# KiCad board Marble.kicad_pcb (continued)
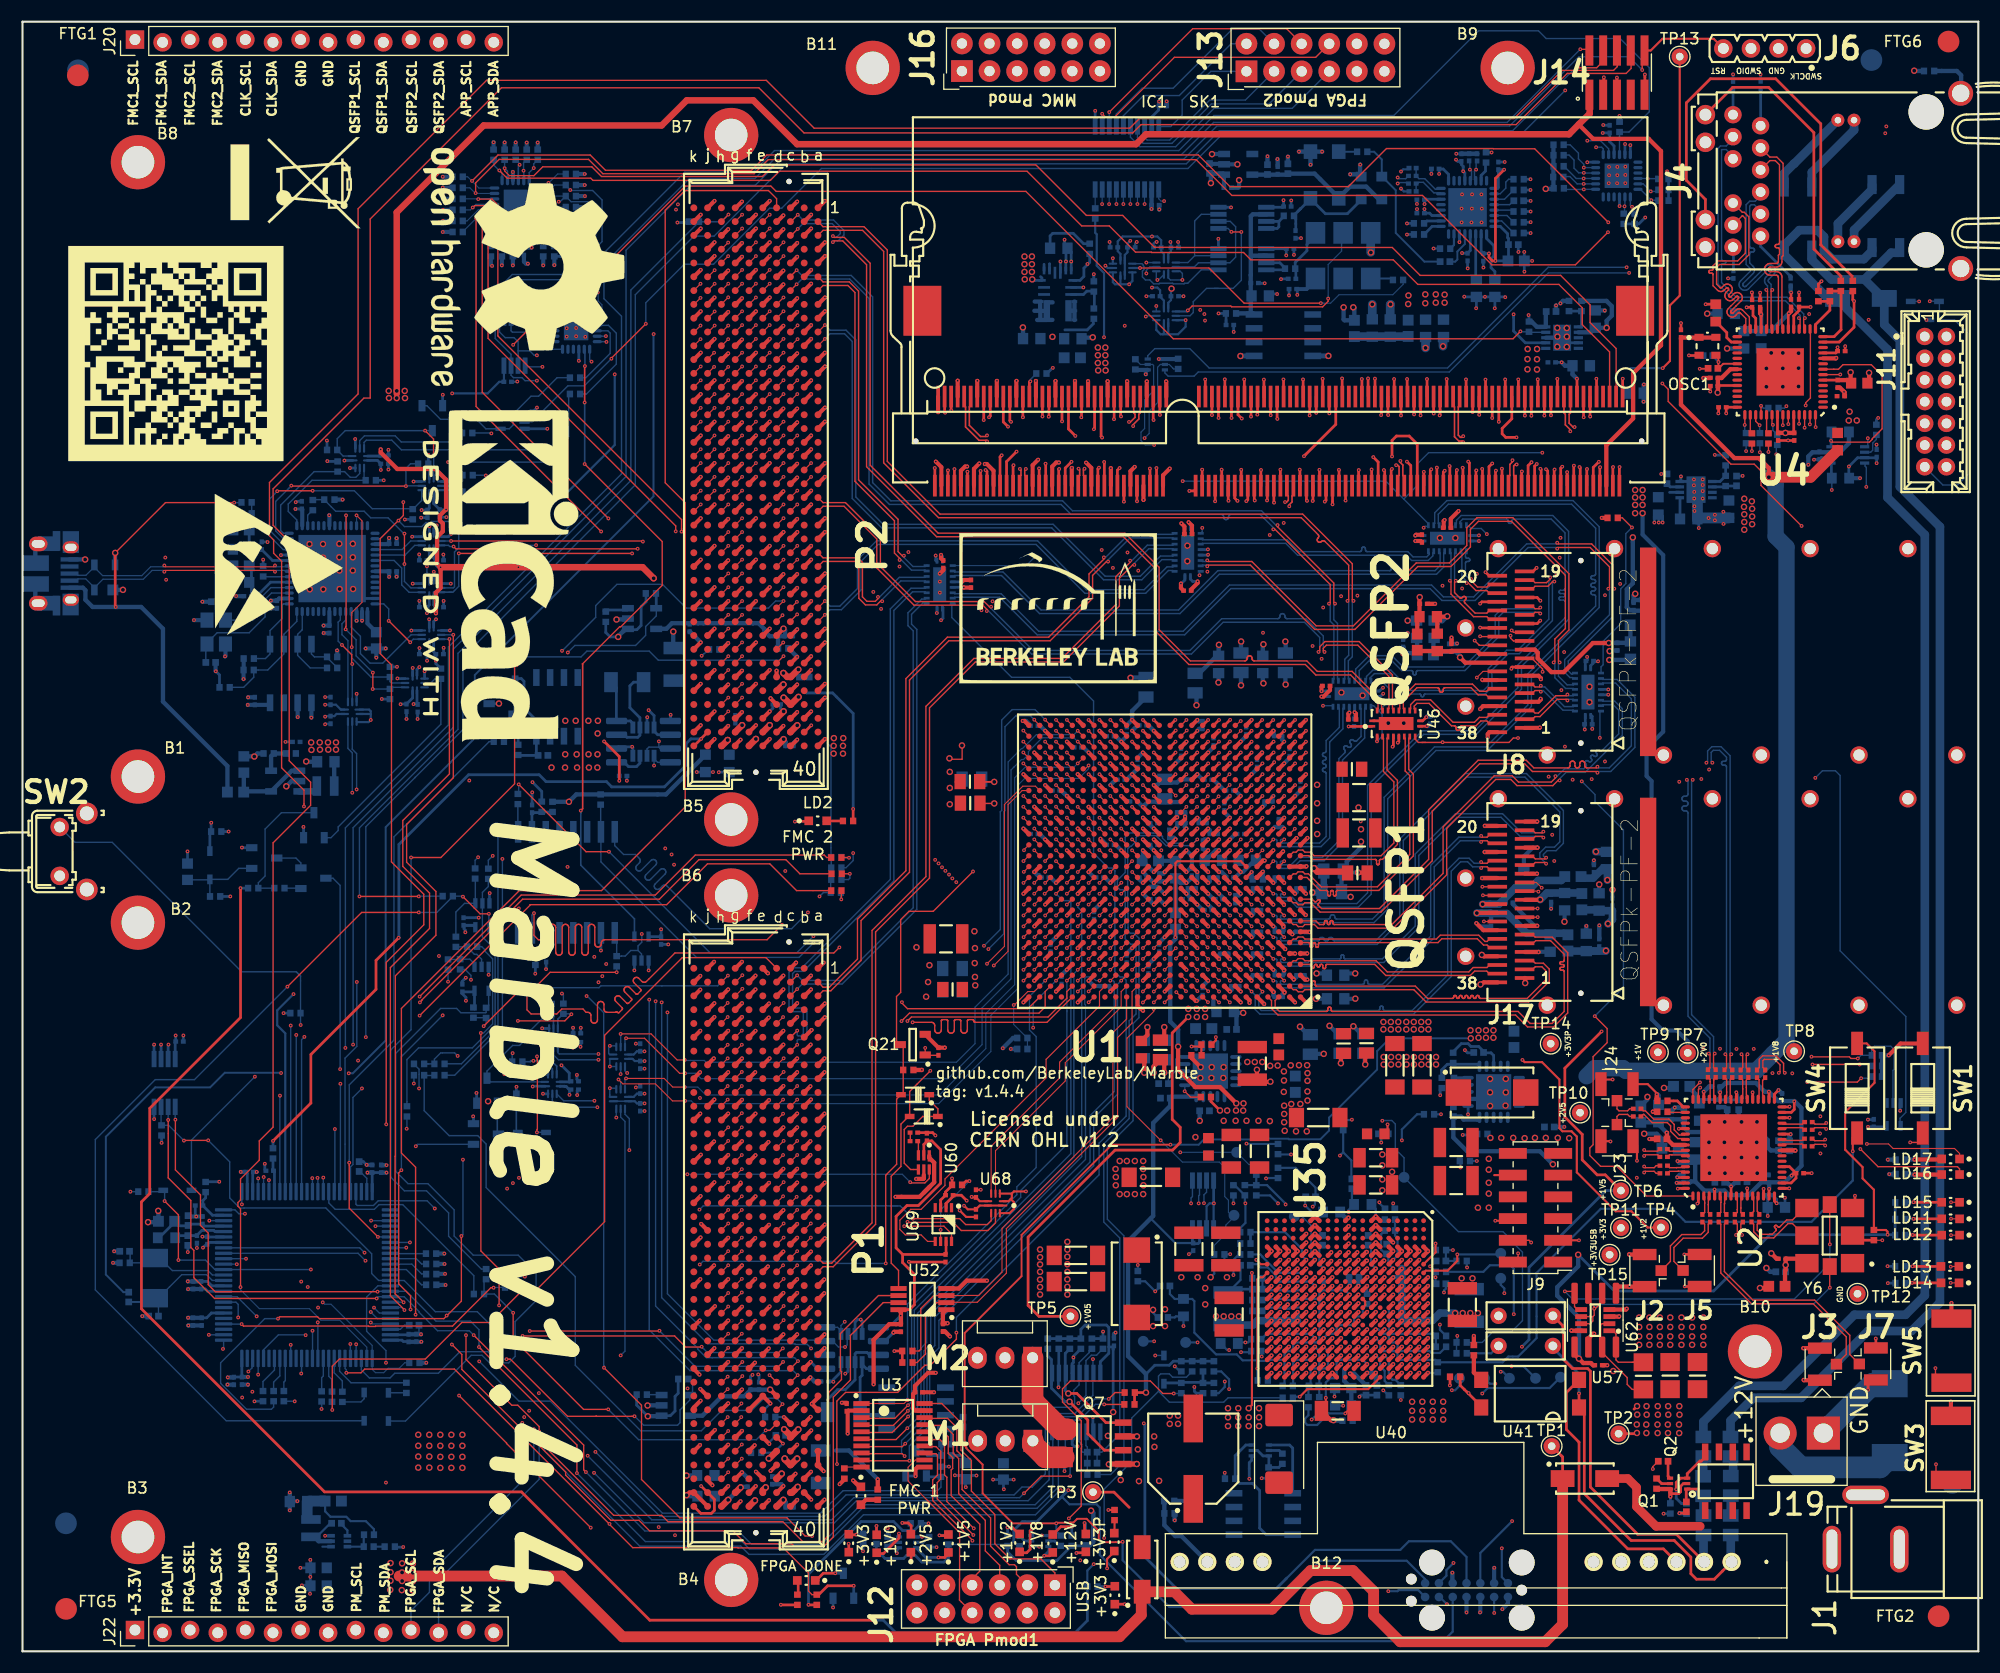
[diagram p0: board, top side]
## Routing (per net, layer and track width the routed paths; a pad name or vN(x,y) marks a point on that pad's centre or on a via; arc(x,y) is an arc through that point) (continued)
/FPGA/DDR3_DQ15: length 53.1
  Top w0.254: U1.W14 v1(104.12,78.73) ; v1(94.45,113.64) 94.47,113.66 SK1.36
  In9.Cu w0.135: 103.72,86.54 103.72,79.38 104.12,78.98 v1(104.12,78.73) ; 103.72,86.54 103.72,93.69 99.37,98.04 99.33,98.09 99.3,98.15 99.29,98.21 99.29,98.28 99.3,98.34 99.33,98.4 99.41,98.5 99.44,98.56 99.45,98.62 99.45,98.69 99.44,98.75 99.41,98.81 99.37,98.86 99.36,98.87 99.31,98.91 99.25,98.94 99.18,98.96 99.12,98.96 99.06,98.94 99,98.91 98.95,98.87 98.74,98.67 98.73,98.67 98.53,98.47 98.48,98.43 98.42,98.4 98.36,98.39 98.29,98.39 98.23,98.4 98.17,98.43 98.12,98.47 98.11,98.48 98.06,98.53 98.04,98.59 98.02,98.66 98.02,98.72 98.04,98.78 98.06,98.84 98.15,98.94 98.17,99 98.19,99.07 98.19,99.13 98.17,99.19 98.15,99.25 98.11,99.3 97.79,99.62 97.79,100.02 97.79,100.08 97.81,100.13 97.84,100.17 97.88,100.21 97.92,100.24 97.97,100.26 98.08,100.27 98.13,100.29 98.18,100.31 98.22,100.35 98.24,100.4 98.26,100.45 98.27,100.5 98.27,100.62 98.26,100.68 98.24,100.73 98.22,100.77 98.18,100.81 98.13,100.84 98.08,100.86 98.03,100.86 97.16,100.86 97.09,100.87 97.03,100.89 96.97,100.93 96.92,100.98 96.89,101.03 96.86,101.1 96.86,101.16 96.86,101.23 96.89,101.29 96.92,101.35 96.97,101.4 97.03,101.43 97.09,101.45 97.16,101.46 98.03,101.46 98.08,101.47 98.13,101.49 98.18,101.51 98.22,101.55 98.24,101.6 98.26,101.65 98.27,101.7 98.27,101.82 98.26,101.88 98.24,101.93 98.22,101.97 98.18,102.01 98.13,102.04 98.08,102.06 98.03,102.06 97.16,102.06 97.09,102.07 97.03,102.09 96.97,102.13 96.92,102.18 96.89,102.23 96.86,102.3 96.86,102.36 96.86,102.43 96.89,102.49 96.92,102.55 96.97,102.6 97.03,102.63 97.09,102.65 97.16,102.66 98.03,102.66 98.08,102.67 98.13,102.69 98.18,102.71 98.22,102.75 98.24,102.8 98.26,102.85 98.27,102.9 98.27,103.02 98.26,103.08 98.24,103.13 98.22,103.17 98.18,103.21 98.13,103.24 98.08,103.26 98.03,103.26 97.16,103.26 97.09,103.27 97.03,103.29 96.97,103.33 96.92,103.38 96.89,103.43 96.86,103.5 96.86,103.56 96.86,103.63 96.89,103.69 96.92,103.75 96.97,103.8 97.03,103.83 97.09,103.85 97.16,103.86 98.03,103.86 98.08,103.87 98.13,103.89 98.18,103.91 98.22,103.95 98.24,104 98.26,104.05 98.27,104.1 98.27,104.22 98.26,104.28 98.24,104.33 98.22,104.37 98.18,104.41 98.13,104.44 98.08,104.46 98.03,104.46 97.16,104.46 97.09,104.47 97.03,104.49 96.97,104.53 96.92,104.58 96.89,104.63 96.86,104.7 96.86,104.76 96.86,104.83 96.89,104.89 96.92,104.95 96.97,105 97.03,105.03 97.09,105.05 97.16,105.06 97.49,105.06 97.55,105.07 97.62,105.09 97.67,105.13 97.72,105.18 97.76,105.23 97.78,105.3 97.79,105.36 97.79,106 98.73,106.94 98.73,109.36 v1(94.45,113.64) ; 103.72,86.54 103.72,86.62
/FPGA/DDR3_DQ16: length 38.6
  Top w0.11: 98.12,80.73 v1(98.12,80.73)
  Top w0.254: SK1.39 95.37,108.79 v1(95.41,108.83) ; U1.AA20 98.12,80.73
  In2.Cu w0.135: v1(98.12,80.73) 98.46,81.08 98.46,87.77 97.25,88.98 97.25,92.93 96.84,93.34 96.79,93.38 96.73,93.41 96.66,93.43 96.59,93.43 96.53,93.41 96.47,93.38 96.42,93.34 96.22,93.14 96.16,93.1 96.1,93.07 96.04,93.06 95.97,93.06 95.91,93.07 95.84,93.1 95.79,93.14 95.75,93.2 95.72,93.26 95.71,93.32 95.71,93.39 95.72,93.45 95.75,93.51 95.79,93.57 96.34,94.11 96.37,94.15 96.38,94.19 96.39,94.23 96.39,94.27 96.38,94.31 96.37,94.35 96.34,94.38 96.19,94.54 96.15,94.57 96.11,94.58 96.07,94.59 96.03,94.59 95.99,94.58 95.95,94.57 95.91,94.54 95.37,93.99 95.32,93.95 95.25,93.92 95.19,93.91 95.12,93.91 95.06,93.92 95,93.95 94.94,93.99 94.9,94.04 94.87,94.1 94.86,94.17 94.86,94.24 94.87,94.3 94.9,94.36 94.94,94.42 95.49,94.96 95.52,95 95.54,95.03 95.55,95.08 95.55,95.12 95.54,95.16 95.52,95.2 95.49,95.23 95.34,95.39 95.3,95.41 95.26,95.43 95.22,95.44 95.18,95.44 95.14,95.43 95.1,95.41 95.07,95.39 94.52,94.84 94.47,94.8 94.41,94.77 94.34,94.75 94.27,94.75 94.21,94.77 94.15,94.8 94.1,94.84 94.05,94.89 94.02,94.95 94.01,95.02 94.01,95.09 94.02,95.15 94.05,95.21 94.1,95.26 94.29,95.46 94.34,95.52 94.37,95.58 94.38,95.64 94.38,95.71 94.37,95.78 94.34,95.84 94.29,95.89 93.81,96.37 93.81,107.23 v1(95.41,108.83)
/FPGA/DDR3_DQ17: length 38.6
  Top w0.254: SK1.41 95.97,108.92 v1(96.54,109.49) ; U1.AD19 v1(99.12,83.73)
  In4.Cu w0.135: v1(96.54,109.49) 96.92,109.87 97.94,109.87 98.23,109.58 98.23,108.53 98.11,108.41 98.11,108.14 98.11,108.11 98.1,108.09 98.09,108.06 98.07,108.05 98.05,108.03 98.02,108.02 97.97,108.02 97.94,108.01 97.92,107.99 97.9,107.97 97.88,107.95 97.87,107.93 97.87,107.9 97.87,107.54 97.87,107.51 97.88,107.49 97.9,107.46 97.92,107.45 97.94,107.43 97.97,107.42 97.99,107.42 98.11,107.42 98.11,107.42 98.23,107.42 98.26,107.41 98.29,107.4 98.31,107.39 98.33,107.37 98.34,107.35 98.35,107.32 98.36,107.29 98.36,106.94 98.35,106.91 98.34,106.88 98.33,106.86 98.31,106.84 98.29,106.83 98.26,106.82 98.23,106.82 97.99,106.82 97.97,106.81 97.94,106.8 97.92,106.79 97.9,106.77 97.88,106.75 97.87,106.72 97.87,106.69 97.87,106.34 97.87,106.31 97.88,106.28 97.9,106.26 97.92,106.24 97.94,106.23 97.97,106.22 97.99,106.22 98.23,106.22 98.26,106.21 98.29,106.2 98.31,106.19 98.33,106.17 98.34,106.15 98.35,106.12 98.36,106.09 98.36,105.74 98.35,105.71 98.34,105.68 98.33,105.66 98.31,105.64 98.29,105.63 98.26,105.62 98.23,105.62 97.99,105.62 97.97,105.61 97.94,105.6 97.92,105.59 97.9,105.57 97.88,105.55 97.87,105.52 97.87,105.49 97.87,105.14 97.87,105.11 97.88,105.08 97.9,105.06 97.92,105.04 97.94,105.03 97.97,105.02 97.99,105.02 98.23,105.02 98.26,105.01 98.29,105 98.31,104.99 98.33,104.97 98.34,104.95 98.35,104.92 98.36,104.89 98.36,104.54 98.35,104.51 98.34,104.48 98.33,104.46 98.31,104.44 98.29,104.43 98.26,104.42 98.21,104.41 98.18,104.4 98.16,104.39 98.14,104.37 98.13,104.35 98.12,104.32 98.11,104.29 98.11,103.29 97.71,102.89 97.71,102.84 97.69,102.8 97.67,102.76 97.64,102.73 97.6,102.71 97.56,102.69 97.47,102.68 97.43,102.67 97.39,102.65 97.36,102.62 97.34,102.58 97.32,102.54 97.32,102.49 97.32,102.29 97.32,102.24 97.34,102.2 97.36,102.16 97.39,102.13 97.43,102.11 97.47,102.09 97.51,102.09 97.71,102.09 97.71,102.09 97.76,102.09 97.77,102.08 97.78,102.08 97.79,102.07 97.8,102.07 97.81,102.06 97.81,102.05 97.81,102.04 97.81,101.54 97.81,101.52 97.81,101.51 97.8,101.5 97.79,101.5 97.78,101.49 97.77,101.49 97.76,101.49 97.51,101.49 97.47,101.48 97.43,101.47 97.39,101.44 97.36,101.41 97.34,101.37 97.32,101.33 97.32,101.29 97.32,101.08 97.32,101.04 97.34,101 97.36,100.96 97.39,100.93 97.43,100.91 97.47,100.89 97.51,100.89 97.76,100.89 97.77,100.88 97.78,100.88 97.79,100.87 97.8,100.87 97.81,100.86 97.81,100.85 97.81,100.84 97.81,100.34 97.81,100.32 97.81,100.31 97.8,100.3 97.79,100.3 97.78,100.29 97.77,100.29 97.75,100.28 97.74,100.28 97.73,100.27 97.72,100.27 97.72,100.26 97.71,100.25 97.71,100.24 97.71,98.82 97.75,98.79 97.8,98.76 97.86,98.75 97.91,98.75 97.97,98.76 98.02,98.79 98.1,98.86 98.15,98.88 98.21,98.89 98.26,98.89 98.31,98.88 98.36,98.86 98.41,98.82 98.48,98.75 98.52,98.7 98.54,98.65 98.55,98.6 98.55,98.54 98.54,98.49 98.52,98.44 98.48,98.4 98.31,98.22 98.31,98.22 98.1,98.01 98.06,97.96 98.03,97.9 98.02,97.84 98.02,97.77 98.03,97.7 98.06,97.64 98.1,97.59 98.11,97.59 98.16,97.55 98.22,97.52 98.28,97.5 98.35,97.5 98.42,97.52 98.48,97.55 98.58,97.63 98.64,97.66 98.7,97.67 98.77,97.67 98.83,97.66 98.89,97.63 98.95,97.59 99.58,96.95 99.57,96.89 99.55,96.82 99.51,96.77 99.46,96.72 99.41,96.68 99.34,96.66 99.28,96.65 98.94,96.65 98.87,96.65 98.81,96.63 98.75,96.59 98.7,96.54 98.67,96.49 98.64,96.42 98.64,96.35 98.64,96.29 98.67,96.22 98.7,96.17 98.75,96.12 98.81,96.08 98.87,96.06 98.94,96.05 99.28,96.05 99.34,96.05 99.41,96.03 99.46,95.99 99.51,95.94 99.55,95.89 99.57,95.82 99.58,95.75 99.58,84.19 v1(99.12,83.73)
/FPGA/DDR3_DQ18: length 38.6
  Top w0.254: SK1.51 98.97,108.85 v1(99.07,108.95) ; U1.AB17 v1(101.12,81.73)
  In2.Cu w0.135: v1(101.12,81.73) 100.46,82.39 100.46,93.97 98,96.44 97.96,96.49 97.93,96.54 97.92,96.6 97.92,96.66 97.93,96.72 97.96,96.78 98.03,96.87 98.06,96.92 98.07,96.98 98.07,97.04 98.06,97.1 98.03,97.16 98,97.2 97.99,97.21 97.94,97.25 97.89,97.28 97.83,97.29 97.77,97.29 97.71,97.28 97.65,97.25 97.61,97.21 97.31,96.92 97.29,96.9 97.26,96.88 97.23,96.88 97.2,96.88 97.16,96.88 97.13,96.9 97.11,96.92 96.92,97.1 96.9,97.13 96.89,97.16 96.88,97.19 96.88,97.22 96.89,97.25 96.9,97.28 96.92,97.31 97.22,97.6 97.26,97.65 97.28,97.7 97.3,97.76 97.3,97.82 97.28,97.88 97.26,97.94 97.22,97.98 97.21,97.99 97.16,98.03 97.11,98.05 97.05,98.07 96.99,98.07 96.93,98.05 96.88,98.03 96.83,97.99 96.64,97.8 96.63,97.8 96.53,97.7 96.51,97.68 96.48,97.67 96.45,97.66 96.41,97.66 96.38,97.67 96.35,97.68 96.33,97.7 96.14,97.88 96.12,97.91 96.11,97.94 96.1,97.97 96.1,98 96.11,98.03 96.12,98.06 96.16,98.11 96.18,98.14 96.18,98.18 96.18,98.21 96.18,98.24 96.16,98.27 96.14,98.29 96.07,98.36 96.07,99.01 96.07,99.03 96.06,99.05 96.05,99.07 96.04,99.08 96.02,99.09 96,99.1 95.96,99.1 95.94,99.11 95.92,99.12 95.9,99.14 95.89,99.15 95.89,99.17 95.88,99.2 95.88,99.56 95.89,99.58 95.89,99.6 95.9,99.62 95.92,99.63 95.94,99.64 95.96,99.65 95.98,99.65 96.29,99.65 96.34,99.66 96.39,99.67 96.43,99.7 96.46,99.73 96.49,99.78 96.51,99.82 96.51,99.87 96.51,99.98 96.51,100.03 96.49,100.08 96.46,100.12 96.43,100.15 96.39,100.18 96.34,100.2 96.29,100.2 95.98,100.2 95.96,100.2 95.94,100.21 95.92,100.22 95.9,100.24 95.89,100.25 95.89,100.27 95.88,100.3 95.88,100.66 95.89,100.68 95.89,100.7 95.9,100.72 95.92,100.73 95.94,100.74 95.96,100.75 95.98,100.75 96.29,100.75 96.34,100.76 96.39,100.77 96.43,100.8 96.46,100.83 96.49,100.88 96.51,100.92 96.51,100.97 96.51,101.08 96.51,101.13 96.49,101.18 96.46,101.22 96.43,101.25 96.39,101.28 96.34,101.3 96.29,101.3 95.98,101.3 95.96,101.3 95.94,101.31 95.92,101.32 95.9,101.34 95.89,101.35 95.89,101.37 95.88,101.4 95.88,101.76 95.89,101.78 95.89,101.8 95.9,101.82 95.92,101.83 95.94,101.84 95.96,101.85 95.98,101.85 96.29,101.85 96.34,101.86 96.39,101.87 96.43,101.9 96.46,101.93 96.49,101.98 96.51,102.02 96.51,102.07 96.51,102.18 96.51,102.23 96.49,102.28 96.46,102.32 96.43,102.35 96.39,102.38 96.34,102.4 96.29,102.4 96.07,102.4 96.07,102.41 95.98,102.41 95.96,102.41 95.94,102.42 95.92,102.43 95.9,102.44 95.89,102.46 95.89,102.48 95.88,102.5 95.88,102.86 95.89,102.88 95.89,102.9 95.9,102.92 95.92,102.94 95.94,102.95 95.96,102.95 96,102.96 96.02,102.97 96.04,102.98 96.05,102.99 96.06,103.01 96.07,103.03 96.07,103.05 96.07,103.29 99.07,106.29 v1(99.07,108.95)
/FPGA/DDR3_DQ19: length 38.5
  Top w0.254: U1.AC17 v1(101.12,82.73) ; v1(99.55,109.47) 99.57,109.45 SK1.53
  In2.Cu w0.135: v1(101.12,82.73) 100.78,83.07 100.78,94.83 100.42,95.19 100.38,95.23 100.36,95.28 100.35,95.34 100.35,95.39 100.36,95.45 100.38,95.5 100.45,95.58 100.47,95.63 100.49,95.69 100.49,95.74 100.47,95.8 100.45,95.85 100.42,95.89 100.38,95.93 100.33,95.96 100.28,95.99 100.23,96 100.17,96 100.12,95.99 100.07,95.96 100.03,95.93 99.85,95.75 99.85,95.76 99.66,95.56 99.61,95.53 99.56,95.5 99.5,95.49 99.44,95.49 99.38,95.5 99.32,95.53 99.27,95.56 99.27,95.57 99.23,95.61 99.2,95.67 99.19,95.73 99.19,95.79 99.2,95.85 99.23,95.9 99.27,95.95 99.64,96.32 99.67,96.36 99.69,96.41 99.71,96.47 99.71,96.52 99.69,96.58 99.67,96.63 99.64,96.67 99.6,96.71 99.55,96.74 99.5,96.77 99.45,96.78 99.39,96.78 99.34,96.77 99.29,96.74 99.25,96.71 98.88,96.34 98.83,96.3 98.78,96.28 98.72,96.26 98.66,96.26 98.6,96.28 98.54,96.3 98.5,96.34 98.49,96.35 98.45,96.39 98.43,96.45 98.41,96.51 98.41,96.57 98.43,96.63 98.45,96.68 98.49,96.73 98.86,97.1 98.89,97.14 98.92,97.19 98.93,97.24 98.93,97.3 98.92,97.35 98.89,97.4 98.86,97.45 98.82,97.49 98.78,97.52 98.73,97.54 98.67,97.56 98.62,97.56 98.56,97.54 98.51,97.52 98.43,97.45 98.38,97.43 98.32,97.41 98.27,97.41 98.21,97.43 98.16,97.45 98.12,97.49 98.12,97.49 98.08,97.53 98.06,97.58 98.05,97.63 98.05,97.69 98.06,97.74 98.08,97.79 98.15,97.88 98.18,97.93 98.19,97.98 98.19,98.04 98.18,98.09 98.15,98.14 98.12,98.19 98.08,98.23 98.04,98.26 97.99,98.28 97.93,98.3 97.88,98.3 97.82,98.28 97.77,98.26 97.69,98.19 97.64,98.17 97.58,98.16 97.53,98.16 97.47,98.17 97.42,98.19 97.38,98.23 96.77,98.83 96.77,98.86 96.76,98.89 96.74,98.91 96.73,98.93 96.7,98.94 96.68,98.95 96.62,98.96 96.6,98.97 96.57,98.98 96.55,99 96.54,99.03 96.53,99.05 96.53,99.08 96.53,99.38 96.53,99.41 96.54,99.44 96.55,99.46 96.57,99.48 96.6,99.49 96.62,99.5 96.65,99.51 96.77,99.51 96.77,99.51 96.94,99.51 96.98,99.51 97.02,99.53 97.05,99.55 97.08,99.57 97.1,99.61 97.11,99.64 97.12,99.68 97.12,99.89 97.11,99.93 97.1,99.96 97.08,99.99 97.05,100.02 97.02,100.04 96.98,100.06 96.9,100.06 96.87,100.08 96.84,100.1 96.81,100.12 96.79,100.16 96.78,100.19 96.77,100.23 96.77,100.23 96.78,100.27 96.79,100.31 96.81,100.34 96.84,100.37 96.87,100.39 96.9,100.4 96.98,100.41 97.02,100.42 97.05,100.44 97.08,100.47 97.1,100.5 97.11,100.54 97.12,100.58 97.12,100.78 97.11,100.82 97.1,100.86 97.08,100.89 97.05,100.92 97.02,100.94 96.98,100.95 96.9,100.96 96.87,100.97 96.84,100.99 96.81,101.02 96.79,101.05 96.78,101.09 96.77,101.13 96.77,101.33 96.78,101.37 96.79,101.41 96.81,101.44 96.84,101.47 96.87,101.49 96.9,101.5 96.98,101.51 97.02,101.52 97.05,101.54 97.08,101.57 97.1,101.6 97.11,101.64 97.12,101.68 97.12,101.88 97.11,101.92 97.1,101.96 97.08,101.99 97.05,102.02 97.02,102.04 96.98,102.05 96.9,102.06 96.87,102.07 96.84,102.09 96.81,102.12 96.79,102.15 96.78,102.19 96.77,102.23 96.77,103.03 99.55,105.8 v1(99.55,109.47)
/FPGA/DDR3_DQ20: length 38.5
  Top w0.254: SK1.40 95.67,113.22 v1(95.68,113.21) ; U1.AA19 v1(99.12,80.73)
  In2.Cu w0.135: v1(99.12,80.73) 98.78,81.07 98.78,92.45 94.59,96.64 94.59,107.25 95.78,108.45 95.78,111.43 95.78,111.47 95.76,111.51 95.74,111.55 95.71,111.58 95.67,111.6 95.63,111.61 95.55,111.62 95.51,111.64 95.47,111.66 95.44,111.69 95.42,111.73 95.4,111.77 95.4,111.81 95.4,112.03 95.4,112.07 95.42,112.11 95.44,112.15 95.47,112.18 95.51,112.2 95.55,112.21 95.59,112.22 95.83,112.22 95.84,112.22 95.85,112.22 95.86,112.23 95.87,112.24 95.88,112.25 95.88,112.26 95.88,112.27 95.88,112.77 95.88,112.78 95.88,112.79 95.87,112.8 95.86,112.81 95.85,112.81 95.84,112.82 95.82,112.82 95.81,112.82 95.8,112.83 95.79,112.84 95.79,112.85 95.78,112.86 95.78,112.87 95.78,113.11 v1(95.68,113.21)
/FPGA/DDR3_DQ21: length 38.5
  Top w0.254: U1.AB19 v1(99.12,81.73) ; v1(96.9,111.88) 96.26,112.51 96.26,114.24 96.27,114.24 SK1.42
  In2.Cu w0.135: v1(99.12,81.73) 99.78,82.39 99.78,93.52 95.63,97.67 95.63,103.7 98.42,106.49 98.42,110.35 v1(96.9,111.88)
/FPGA/DDR3_DQ22: length 38.5
  Top w0.254: v1(98.6,112.49) 98.67,112.56 SK1.50 ; U1.AD18 v1(100.12,83.73)
  In4.Cu w0.135: v1(98.6,112.49) 98.6,112.24 98.72,112.13 98.72,108.5 98.62,108.41 98.62,103.06 98.07,102.5 98.07,99.53 100.47,97.13 100.47,93.93 100.46,93.86 100.44,93.8 100.4,93.74 100.35,93.7 100.3,93.66 100.23,93.64 100.17,93.63 100.13,93.63 100.06,93.62 100,93.6 99.94,93.57 99.89,93.52 99.86,93.46 99.84,93.4 99.83,93.33 99.84,93.26 99.86,93.2 99.89,93.14 99.94,93.1 100,93.06 100.06,93.04 100.13,93.03 100.17,93.03 100.23,93.02 100.3,93 100.35,92.97 100.4,92.92 100.44,92.86 100.46,92.8 100.47,92.73 100.46,92.66 100.44,92.6 100.4,92.54 100.35,92.5 100.3,92.46 100.23,92.44 100.17,92.43 100.13,92.43 100.06,92.42 100,92.4 99.94,92.37 99.89,92.32 99.86,92.26 99.84,92.2 99.83,92.13 99.84,92.06 99.86,92 99.89,91.94 99.94,91.9 100,91.86 100.06,91.84 100.13,91.83 100.17,91.83 100.23,91.82 100.3,91.8 100.35,91.77 100.4,91.72 100.44,91.66 100.46,91.6 100.47,91.53 100.46,91.46 100.44,91.4 100.4,91.34 100.35,91.3 100.3,91.26 100.23,91.24 100.17,91.23 100.13,91.23 100.06,91.22 100,91.2 99.94,91.17 99.89,91.12 99.86,91.06 99.84,91 99.83,90.93 99.84,90.86 99.86,90.8 99.89,90.74 99.94,90.7 100,90.66 100.06,90.64 100.13,90.63 100.17,90.63 100.23,90.62 100.3,90.6 100.35,90.57 100.4,90.52 100.44,90.46 100.46,90.4 100.47,90.33 100.46,90.26 100.44,90.2 100.4,90.14 100.35,90.1 100.3,90.06 100.23,90.04 100.17,90.03 100.13,90.03 100.06,90.02 100,90 99.94,89.97 99.89,89.92 99.86,89.86 99.84,89.8 99.83,89.73 99.84,89.66 99.86,89.6 99.89,89.54 99.94,89.5 100,89.46 100.06,89.44 100.13,89.43 100.17,89.43 100.23,89.42 100.3,89.4 100.35,89.37 100.4,89.32 100.44,89.26 100.46,89.2 100.47,89.13 100.46,89.06 100.44,89 100.4,88.94 100.35,88.9 100.3,88.86 100.23,88.84 100.17,88.83 100.13,88.83 100.06,88.82 100,88.8 99.94,88.77 99.89,88.72 99.86,88.66 99.84,88.6 99.83,88.53 99.84,88.46 99.86,88.4 99.89,88.34 99.94,88.3 100,88.26 100.06,88.24 100.13,88.23 100.17,88.23 100.23,88.22 100.3,88.2 100.35,88.17 100.4,88.12 100.44,88.06 100.46,88 100.47,87.93 100.46,87.86 100.44,87.8 100.4,87.74 100.35,87.7 100.3,87.66 100.23,87.64 100.17,87.63 100.13,87.63 100.06,87.62 100,87.6 99.94,87.57 99.89,87.52 99.86,87.46 99.84,87.4 99.83,87.33 99.84,87.26 99.86,87.2 99.89,87.14 99.94,87.1 100,87.06 100.06,87.04 100.13,87.03 100.17,87.03 100.23,87.02 100.3,87 100.35,86.97 100.4,86.92 100.44,86.86 100.46,86.8 100.47,86.73 100.47,84.08 v1(100.12,83.73)
/FPGA/DDR3_DQ23: length 38.5
  Top w0.254: v1(99.36,111.73) 99.27,111.82 SK1.52 ; U1.AC18 v1(100.12,82.73)
  In4.Cu w0.135: v1(100.12,82.73) 100.77,83.38 100.77,94.3 100.78,94.37 100.8,94.43 100.84,94.49 100.88,94.54 100.94,94.57 101,94.59 101.07,94.6 101.32,94.6 101.39,94.61 101.45,94.63 101.51,94.67 101.56,94.71 101.59,94.77 101.61,94.83 101.62,94.9 101.61,94.97 101.59,95.03 101.56,95.09 101.51,95.14 101.45,95.17 101.39,95.19 101.32,95.2 101.07,95.2 101,95.21 100.94,95.23 100.88,95.27 100.84,95.31 100.8,95.37 100.78,95.43 100.77,95.5 100.78,95.57 100.8,95.63 100.84,95.69 100.88,95.74 100.94,95.77 101,95.79 101.07,95.8 101.32,95.8 101.39,95.81 101.45,95.83 101.51,95.87 101.56,95.91 101.59,95.97 101.61,96.03 101.62,96.1 101.61,96.17 101.59,96.23 101.56,96.29 101.51,96.34 101.45,96.37 101.39,96.39 101.32,96.4 101.07,96.4 101,96.41 100.94,96.43 100.88,96.47 100.84,96.51 100.8,96.57 100.78,96.63 100.77,96.7 100.77,97.42 100.74,97.46 100.69,97.51 100.67,97.57 100.65,97.64 100.65,97.71 100.67,97.77 100.69,97.83 100.74,97.88 100.81,97.95 100.85,98.01 100.88,98.07 100.89,98.13 100.89,98.2 100.88,98.27 100.85,98.33 100.81,98.38 100.75,98.42 100.69,98.45 100.63,98.47 100.56,98.47 100.5,98.45 100.43,98.42 100.38,98.38 100.31,98.31 100.26,98.27 100.2,98.24 100.13,98.22 100.07,98.22 100,98.24 99.94,98.27 99.89,98.31 98.51,99.69 98.51,102.06 99.36,102.91 99.36,108.73 99.42,108.79 99.42,109.1 99.19,109.33 99.19,111.55 v1(99.36,111.73)
/FPGA/DDR3_DQ24: length 39
  Top w0.254: U1.AA18 v1(100.12,80.73) ; v1(100.97,108.92) 100.77,108.71 SK1.57
  In4.Cu w0.135: v1(100.97,108.92) 100.97,104.88 101.91,103.94 101.96,103.89 101.99,103.83 102,103.76 102,103.69 101.99,103.63 101.96,103.57 101.91,103.52 101.72,103.32 101.68,103.27 101.65,103.21 101.64,103.15 101.64,103.08 101.65,103.01 101.68,102.95 101.72,102.9 101.78,102.86 101.84,102.83 101.9,102.81 101.97,102.81 102.03,102.83 102.1,102.86 102.15,102.9 102.95,103.71 103.01,103.75 103.07,103.78 103.13,103.79 103.2,103.79 103.27,103.78 103.33,103.75 103.38,103.71 103.42,103.65 103.45,103.59 103.46,103.53 103.46,103.46 103.45,103.4 103.42,103.34 103.38,103.28 103.19,103.09 103.15,103.04 103.12,102.98 103.1,102.91 103.1,102.85 103.12,102.78 103.15,102.72 103.19,102.67 103.46,102.39 103.46,101.94 103.46,101.87 103.43,101.81 103.4,101.75 103.35,101.71 103.29,101.67 103.23,101.65 103.16,101.64 102.89,101.64 102.83,101.63 102.76,101.61 102.71,101.57 102.66,101.53 102.62,101.47 102.6,101.41 102.59,101.34 102.6,101.27 102.62,101.21 102.66,101.15 102.71,101.11 102.76,101.07 102.83,101.05 102.89,101.04 103.88,101.04 103.95,101.03 104.02,101.01 104.07,100.97 104.12,100.93 104.16,100.87 104.18,100.81 104.18,100.74 104.18,100.67 104.16,100.61 104.12,100.55 104.07,100.51 104.02,100.47 103.95,100.45 103.88,100.44 103.76,100.44 103.7,100.43 103.63,100.41 103.58,100.37 103.53,100.33 103.49,100.27 103.47,100.21 103.46,100.14 103.46,82.58 102.27,81.39 100.78,81.39 v1(100.12,80.73)
/FPGA/DDR3_DQ25: length 39
  Top w0.254: SK1.59 v1(101.37,105.82) ; U1.AB16 v1(102.12,81.73)
  In2.Cu w0.135: v1(102.12,81.73) 101.74,82.11 101.74,89.15 101.51,89.38 101.51,89.8 101.78,90.07 101.78,90.26 101.78,90.31 101.8,90.36 101.82,90.4 101.86,90.43 101.9,90.46 101.95,90.47 102.04,90.49 102.09,90.5 102.13,90.53 102.16,90.56 102.19,90.6 102.21,90.65 102.21,90.7 102.21,90.81 102.21,90.86 102.19,90.91 102.16,90.95 102.13,90.98 102.09,91.01 102.04,91.02 101.99,91.03 101.78,91.03 101.78,91.04 101.66,91.04 101.63,91.04 101.61,91.05 101.58,91.06 101.56,91.08 101.55,91.1 101.54,91.13 101.54,91.16 101.54,91.47 101.54,91.49 101.55,91.52 101.56,91.54 101.58,91.56 101.61,91.57 101.63,91.58 101.66,91.59 101.99,91.59 102.04,91.59 102.09,91.61 102.13,91.63 102.16,91.67 102.19,91.71 102.21,91.76 102.21,91.81 102.21,91.92 102.21,91.97 102.19,92.01 102.16,92.05 102.13,92.09 102.09,92.11 102.04,92.13 101.99,92.14 101.66,92.14 101.63,92.14 101.61,92.15 101.58,92.16 101.56,92.18 101.55,92.2 101.54,92.23 101.54,92.26 101.54,92.57 101.54,92.59 101.55,92.62 101.56,92.64 101.58,92.66 101.61,92.67 101.63,92.68 101.66,92.69 101.99,92.69 102.04,92.69 102.09,92.71 102.13,92.73 102.16,92.77 102.19,92.81 102.21,92.86 102.21,92.91 102.21,93.02 102.21,93.07 102.19,93.11 102.16,93.15 102.13,93.19 102.09,93.21 102.04,93.23 101.95,93.24 101.9,93.26 101.86,93.28 101.82,93.32 101.8,93.36 101.78,93.41 101.78,93.46 101.78,96.03 101.31,96.49 101.27,96.54 101.24,96.6 101.23,96.67 101.23,96.74 101.24,96.8 101.27,96.86 101.31,96.91 101.53,97.13 101.57,97.18 101.6,97.24 101.61,97.3 101.61,97.37 101.6,97.44 101.57,97.5 101.53,97.55 101.47,97.59 101.41,97.62 101.35,97.64 101.28,97.64 101.21,97.62 101.15,97.59 101.1,97.55 100.48,96.93 100.43,96.89 100.38,96.87 100.32,96.85 100.26,96.85 100.2,96.87 100.14,96.89 100.09,96.93 100.06,96.97 100.02,97.02 99.99,97.07 99.98,97.13 99.98,97.19 99.99,97.25 100.02,97.31 100.06,97.36 100.68,97.97 100.72,98.03 100.75,98.09 100.76,98.15 100.76,98.22 100.75,98.29 100.72,98.35 100.68,98.4 100.62,98.44 100.56,98.47 100.5,98.48 100.43,98.48 100.37,98.47 100.31,98.44 100.25,98.4 99.63,97.78 99.59,97.74 99.53,97.71 99.47,97.7 99.41,97.7 99.35,97.71 99.29,97.74 99.24,97.78 99.21,97.82 99.17,97.86 99.14,97.92 99.13,97.98 99.13,98.04 99.14,98.1 99.17,98.16 99.25,98.25 99.27,98.31 99.29,98.37 99.29,98.43 99.27,98.49 99.25,98.55 99.21,98.59 98.26,99.55 98.26,102.71 99.06,103.51 99.08,103.54 99.1,103.58 99.11,103.62 99.11,103.66 99.1,103.69 99.08,103.73 99.04,103.79 99.02,103.83 99.01,103.86 99.01,103.9 99.02,103.94 99.04,103.98 99.06,104.01 99.24,104.18 99.27,104.21 99.3,104.23 99.34,104.23 99.38,104.23 99.42,104.23 99.45,104.21 99.48,104.18 100.03,103.64 100.08,103.59 100.15,103.57 100.21,103.55 100.28,103.55 100.34,103.57 100.4,103.59 100.46,103.64 100.5,103.69 100.53,103.75 100.54,103.82 100.54,103.88 100.53,103.95 100.5,104.01 100.46,104.06 99.91,104.61 99.88,104.64 99.87,104.67 99.86,104.71 99.86,104.75 99.87,104.79 99.88,104.83 99.91,104.86 100.09,105.03 100.12,105.06 100.15,105.07 100.19,105.08 100.23,105.08 100.27,105.07 100.3,105.06 100.36,105.01 100.4,104.99 100.44,104.98 100.48,104.98 100.51,104.99 100.55,105.01 100.58,105.03 v1(101.37,105.82)
/FPGA/DDR3_DQ26: length 39.1
  Top w0.254: SK1.67 103.77,108.86 v1(103.76,108.87) ; U1.AA14 v1(104.12,80.73)
  In2.Cu w0.135: v1(104.12,80.73) 104.12,81.24 103.77,81.59 103.77,92.77 103.77,92.78 103.76,92.79 103.76,92.8 103.75,92.81 103.74,92.82 103.73,92.82 103.71,92.82 103.7,92.83 103.69,92.83 103.68,92.84 103.67,92.85 103.67,92.86 103.67,92.87 103.67,93.37 103.67,93.38 103.67,93.39 103.68,93.4 103.69,93.41 103.7,93.42 103.71,93.42 103.73,93.42 103.74,93.43 103.75,93.43 103.76,93.44 103.76,93.45 103.77,93.46 103.77,93.47 103.77,93.97 103.77,93.98 103.76,93.99 103.76,94 103.75,94.01 103.74,94.02 103.73,94.02 103.71,94.02 103.7,94.03 103.69,94.03 103.68,94.04 103.67,94.05 103.67,94.06 103.67,94.07 103.67,94.57 103.67,94.58 103.67,94.59 103.68,94.6 103.69,94.61 103.7,94.62 103.71,94.62 103.73,94.62 103.74,94.63 103.75,94.63 103.76,94.64 103.76,94.65 103.77,94.66 103.77,94.67 103.77,95.17 103.77,95.18 103.76,95.19 103.76,95.2 103.75,95.21 103.74,95.22 103.73,95.22 103.71,95.22 103.7,95.23 103.69,95.23 103.68,95.24 103.67,95.25 103.67,95.26 103.67,95.27 103.67,95.77 103.67,95.78 103.67,95.79 103.68,95.8 103.69,95.81 103.7,95.82 103.71,95.82 103.73,95.82 103.74,95.83 103.75,95.83 103.76,95.84 103.76,95.85 103.77,95.86 103.77,95.87 103.77,96.37 103.77,96.38 103.76,96.39 103.76,96.4 103.75,96.41 103.74,96.42 103.73,96.42 103.71,96.42 103.7,96.43 103.69,96.43 103.68,96.44 103.67,96.45 103.67,96.46 103.67,96.47 103.67,96.97 103.67,96.98 103.67,96.99 103.68,97 103.69,97.01 103.7,97.02 103.71,97.02 103.73,97.02 103.74,97.03 103.75,97.03 103.76,97.04 103.76,97.05 103.77,97.06 103.77,97.07 103.77,97.57 103.77,97.61 103.75,97.64 103.74,97.67 103.71,97.69 103.69,97.71 103.65,97.72 103.59,97.73 103.56,97.74 103.53,97.75 103.51,97.78 103.49,97.81 103.48,97.84 103.47,97.87 103.47,98.17 103.48,98.21 103.49,98.24 103.51,98.27 103.53,98.29 103.56,98.31 103.59,98.32 103.65,98.33 103.69,98.34 103.71,98.35 103.74,98.38 103.75,98.41 103.77,98.44 103.77,98.47 103.77,98.77 103.77,98.81 103.75,98.84 103.74,98.87 103.71,98.89 103.69,98.91 103.65,98.92 103.59,98.93 103.56,98.94 103.53,98.95 103.51,98.98 103.49,99.01 103.48,99.04 103.47,99.07 103.47,99.37 103.48,99.41 103.49,99.44 103.51,99.47 103.53,99.49 103.56,99.51 103.59,99.52 103.65,99.53 103.69,99.54 103.71,99.55 103.74,99.58 103.75,99.61 103.77,99.64 103.77,99.67 103.77,100.17 103.77,100.18 103.76,100.19 103.76,100.2 103.75,100.21 103.74,100.22 103.73,100.22 103.71,100.22 103.7,100.23 103.69,100.23 103.68,100.24 103.67,100.25 103.67,100.26 103.67,100.27 103.67,100.77 103.67,100.78 103.67,100.79 103.68,100.8 103.69,100.81 103.7,100.82 103.71,100.82 103.73,100.82 103.74,100.83 103.75,100.83 103.76,100.84 103.76,100.85 103.77,100.86 103.77,100.87 103.77,103.92 103.77,103.94 103.76,103.96 103.75,103.97 103.74,103.98 103.73,103.99 103.71,104 103.68,104 103.66,104 103.65,104.01 103.64,104.02 103.63,104.04 103.62,104.05 103.62,104.07 103.62,104.52 103.62,104.54 103.63,104.56 103.64,104.57 103.65,104.58 103.66,104.59 103.68,104.6 103.71,104.6 103.73,104.6 103.74,104.61 103.75,104.62 103.76,104.64 103.77,104.65 103.77,104.67 103.77,104.92 103.76,104.96 103.75,105 103.73,105.03 103.7,105.06 103.67,105.08 103.63,105.09 103.56,105.1 103.52,105.11 103.49,105.14 103.46,105.16 103.44,105.2 103.43,105.23 103.42,105.27 103.42,105.52 103.43,105.56 103.44,105.6 103.46,105.63 103.49,105.66 103.52,105.68 103.56,105.69 103.63,105.7 103.67,105.71 103.7,105.74 103.73,105.76 103.75,105.8 103.76,105.83 103.77,105.87 103.77,106.28 102.82,107.23 102.82,107.38 102.82,107.45 102.85,107.51 102.88,107.57 102.93,107.62 102.99,107.65 103.05,107.67 103.12,107.68 103.47,107.68 103.53,107.69 103.6,107.71 103.65,107.75 103.7,107.79 103.74,107.85 103.76,107.91 103.77,107.98 103.76,108.05 103.74,108.11 103.7,108.17 103.65,108.22 103.6,108.25 103.53,108.27 103.47,108.28 102.74,108.28 102.72,108.28 102.71,108.29 102.69,108.3 102.68,108.31 102.67,108.32 102.67,108.34 102.67,108.36 102.67,108.81 102.67,108.82 102.67,108.84 102.68,108.85 102.69,108.87 102.71,108.87 102.72,108.88 102.76,108.88 102.77,108.89 102.79,108.9 102.8,108.91 102.81,108.92 102.81,108.94 102.82,108.96 102.82,110.02 103.41,110.62 103.97,110.62 104.19,110.4 104.19,109.76 103.76,109.32 v1(103.76,108.87)